# Altium PCB EVB-NORA-B20.PcbDoc (part 3 of 6)
Units mm, origin at the board's own origin, x right, y up, seen from the top; angles counter-clockwise.
Board outline 100 x 70 mm, 6 copper layers (L1, L2, L3, L4, L5, L6), stack 1.547 mm thick; 491 components, 294 nets, 1446 pads, 1246 vias.
Unrouted connection lines stored in the file: 3.
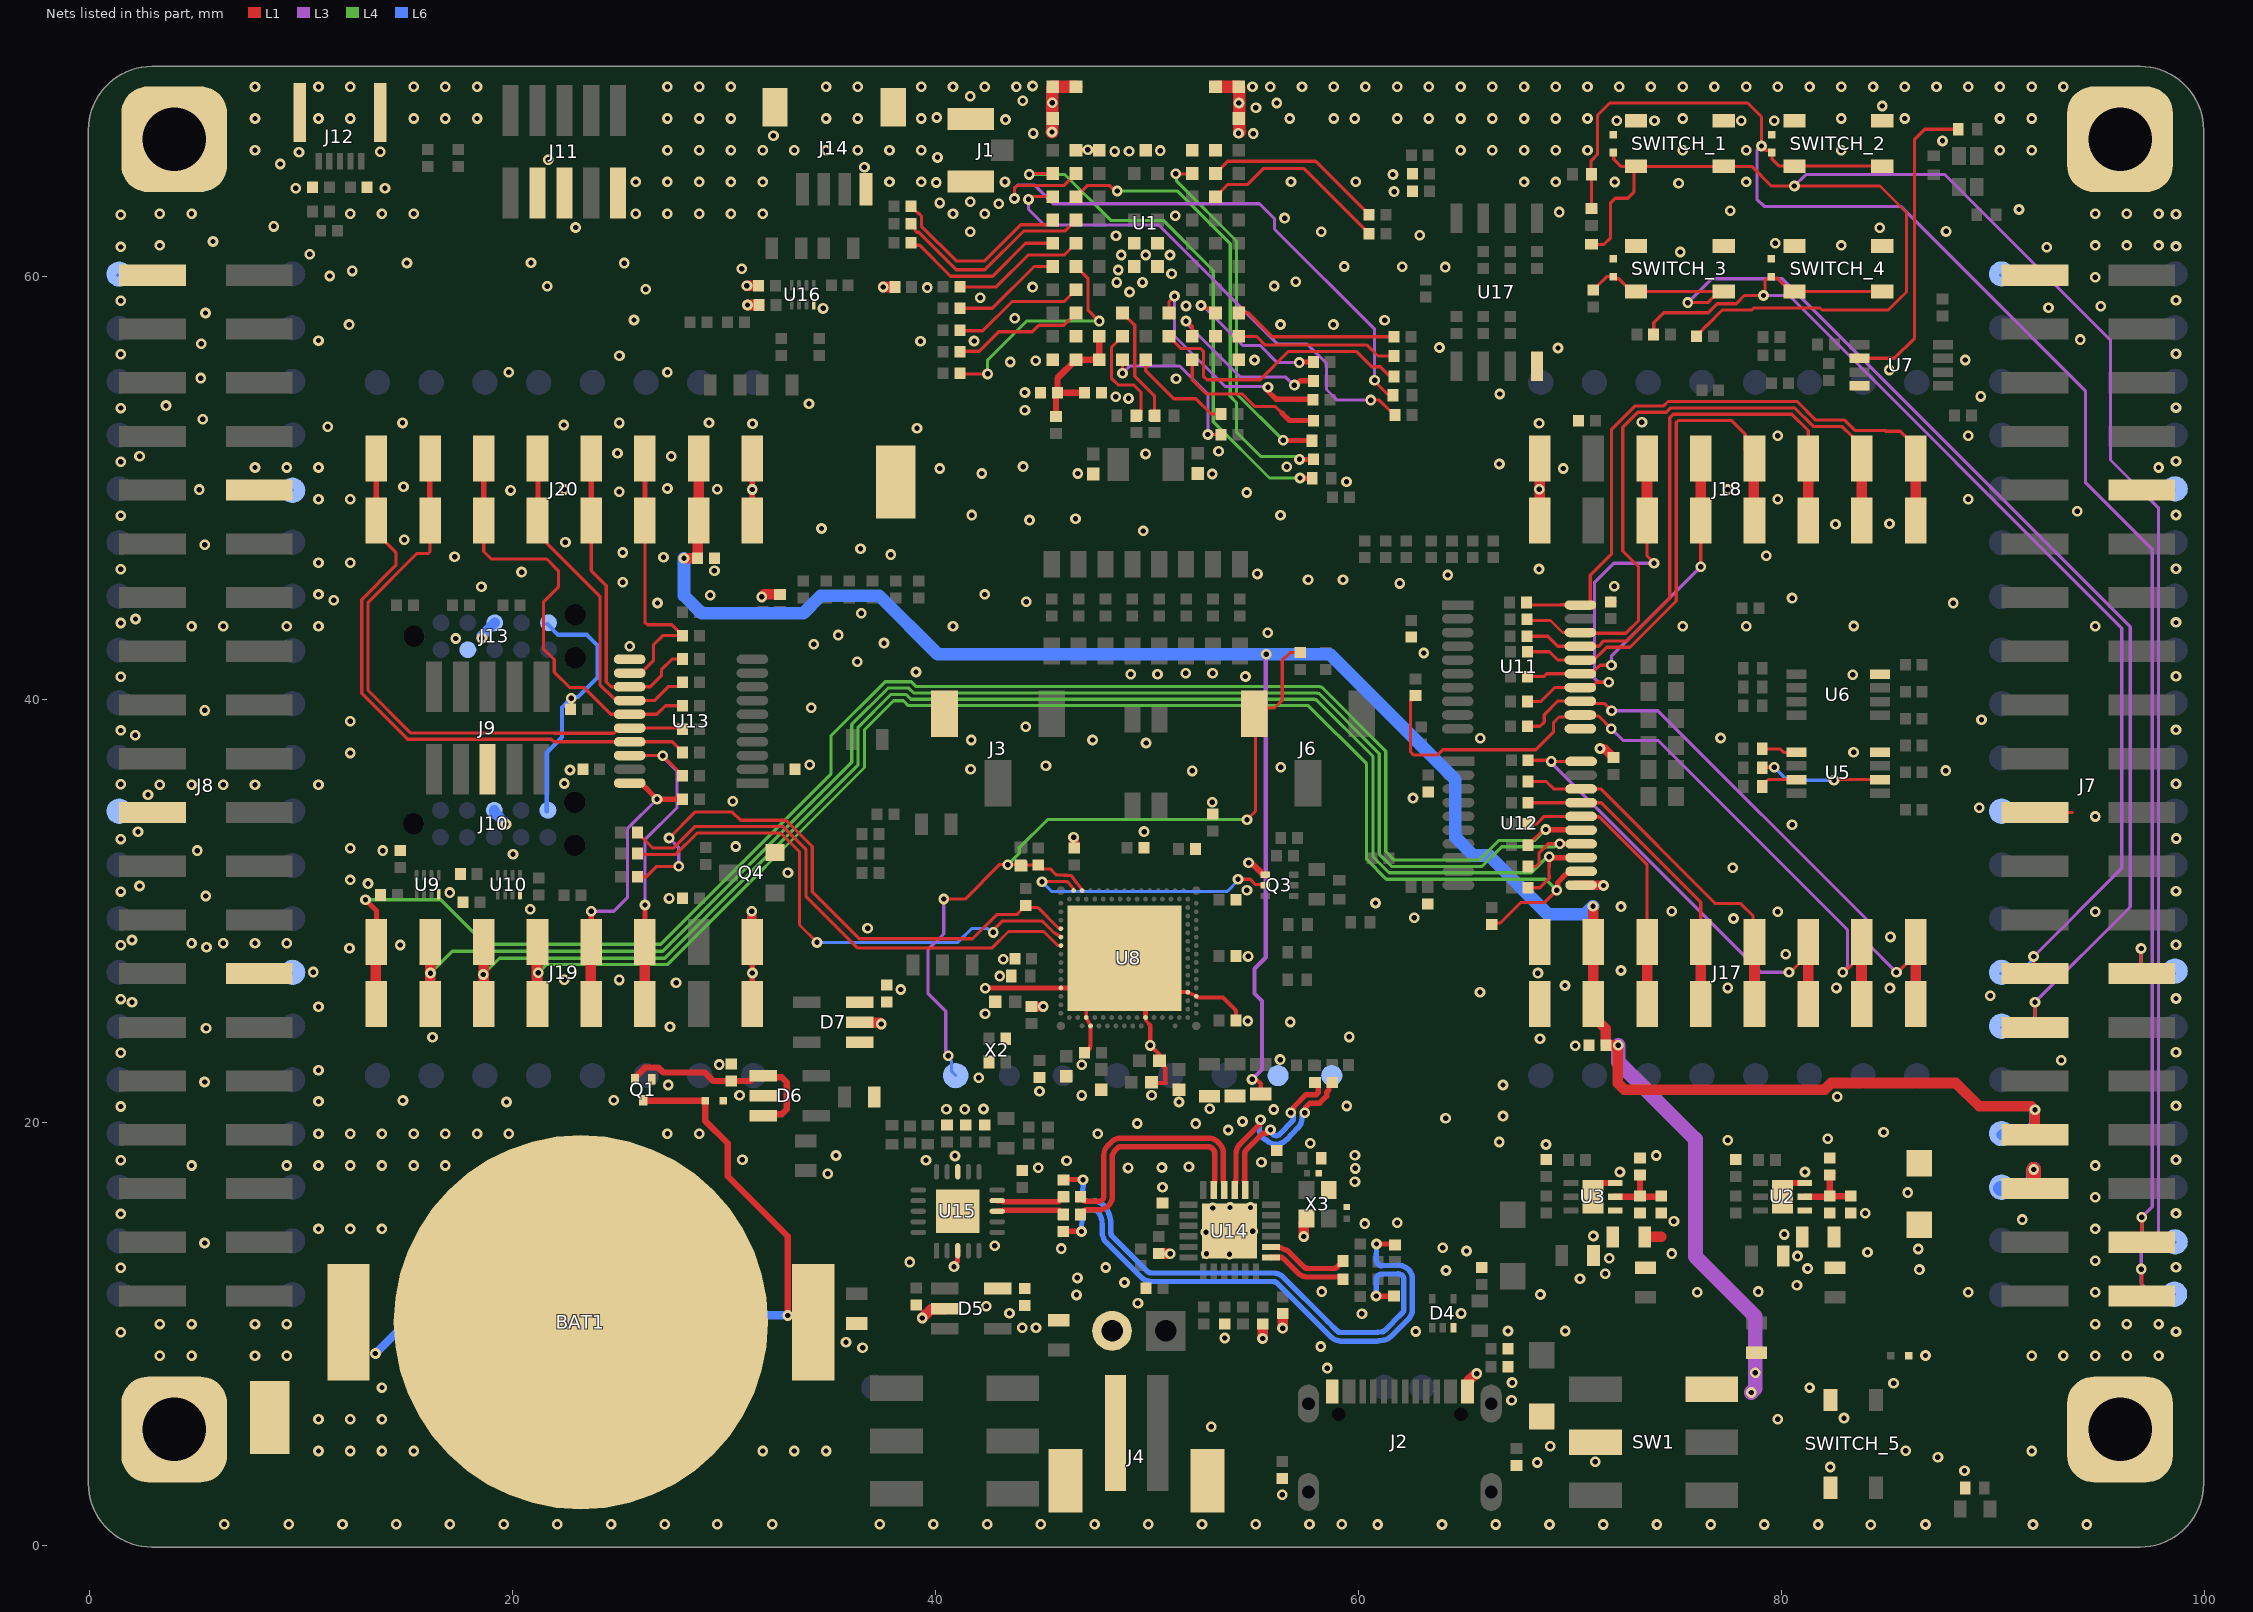
[diagram p7: the nets of this part, all layers, seen from the top]

## Via types
v1: diameter 0.508, hole 0.254, L1 to L6, 912 vias
v2: diameter 0.5, hole 0.25, L1 to L6, 329 vias
v3: diameter 0.3, hole 0.1, L1 to L6, tented top, 5 vias

## Nets (pads, with @x,y where several pads share a name; then routed paths per layer and width w, separated by ;. In a path a pad name is that pad's centre, name@x,y a point inside that pad or via, vN(x,y) a via of type N, cw(c..) or ccw(c..) an arc to the next point about the centre after c; other vN are vias at no path point) (continued)
+5V: C49.2 C50.1 J7.33 J17.7 J20.7 R38.2 R81.1 SW1.4 TP77.1 | length 131.9
  L1 w0.15: C50.1@28.724,46.695 C50.1@28.734,46.685
  L1 w0.2: v1(54.962,22.05) 55.17,22.05 55.372,21.848 R81.1@55.372,21.358
  L1 w0.5: v1(28.102,46.695) C50.1@28.724,46.695 ; C50.1@28.734,46.685 28.744,46.695 J20.7@28.744,47.442 ; J20.7@28.796,48.476 J20.7@28.796,51.406 ; v1@71.096,30.239 J17.7@71.096,28.546 J17.7@71.096,25.616 71.096,25.031 71.681,24.446 C49.2@71.681,23.667 ; C49.2@71.691,23.657 C49.2@71.681,23.667 ; v1@72.26,23.651 72.26,21.863 72.553,21.57 82.042,21.57 82.352,21.88 88.24,21.88 89.34,20.78 91.808,20.78 91.973,20.616 v1(91.975,20.616) J7.33@91.975,19.458 ; v1@72.276,23.667 C49.2@71.681,23.667
  L1 w0.7: J20.7@28.796,48.43 J20.7@28.802,48.424
  L3 w0.2: v1(54.962,22.05) 55.43,22.519 55.43,25.756 55.08,26.106 55.08,27.283 55.61,27.813 55.61,42.128 v1(55.632,42.15)
  L3 w0.7: v1(72.278,23.669) 72.278,22.87 75.92,19.228 75.92,13.674 78.753,10.841 78.753,7.438 v1(78.56,7.245)
  L6 w0.5: TP77.1@90.401,19.43 91.475,19.43 91.975,19.93 v1(91.975,20.616)
  L6 w0.6: v1(28.102,46.695) 28.102,44.924 28.936,44.09 33.744,44.09 34.578,44.924 37.327,44.924 40.101,42.15 58.64,42.15 64.574,36.216 64.574,33.496 65.436,32.634 66.169,32.634 68.943,29.86 70.71,29.86 v1(71.083,30.234)
  other v1: 78.753,8.183
+Vin: D1.A J7.35 TP79.1 | length 3.1
  L1 w0.7: v1(91.919,17.792) 91.919,17.006 J7.35@91.975,16.95
  L6 w0.7: TP79.1@90.346,16.891 91.509,16.891 91.919,17.301 v1(91.919,17.792)
A3: R1.2 U1.A3 | length 7.5
  L1 w0.15: U1.A3@52.136,56.081 52.136,55.124 52.803,54.457 54.503,54.457 55.096,53.863 55.945,53.863 56.065,53.863 56.384,53.544
  L1 w0.25: 56.384,53.544 56.73,53.198 R1.2@57.857,53.198
A5: R2.2 U1.A5 | length 4.9
  L1 w0.15: U1.A5@49.936,56.081 49.936,55.556 51.262,54.23 52.305,54.23 53.025,53.509 R2.2@53.495,53.509
A6: R3.2 U1.A6 | length 7.9
  L1 w0.15: v1(48.832,55.434) 48.836,55.438 U1.A6@48.836,56.081 ; v1(52.872,52.542) 53.466,52.542 R3.2@53.476,52.552
  L3 w0.15: v1(48.832,55.434) 49.179,55.781 51.536,55.781 52.872,54.445 v1(52.872,52.542)
B1: R4.2 U1.B1 | length 7.5
  L1 w0.15: U1.B1@54.336,57.181 55.168,57.181 55.581,56.768 60.401,56.768 60.916,56.253 R4.2@61.467,56.253
B3: R5.2 U1.B3 | length 8.3
  L1 w0.15: v1(51.838,57.904) 51.893,57.904 52.136,57.661 U1.B3@52.136,57.181
  L1 w0.25: v1(56.963,54.876) 57.029,54.876 57.229,55.076 57.851,55.076 R5.2@57.856,55.071
  L3 w0.15: v1(51.838,57.904) 51.838,57.826 54.412,55.253 56.557,55.253 56.934,54.876 v1(56.963,54.876)
B4: R6.2 U1.B4 | length 13
  L1 w0.15: U1.B4@51.036,57.181 51.615,56.602 51.739,56.602 51.743,56.606 52.529,56.606 52.661,56.474 52.661,55.298 52.828,55.131 55.348,55.131 56.684,56.468 59.891,56.468 60.613,55.746 61.028,55.746 61.475,55.299 R6.2@61.475,55.284
B6: R25.2 R26.2 U1.B6 | length 5.1
  L1 w0.15: U1.B6@48.836,57.181 48.311,56.656 48.311,55.208 48.638,54.881 49.374,54.881 49.705,54.551 49.705,53.59 49.543,53.429 R25.2@49.495,53.429
Button0: D18.1 J7.40 R49.2 R168.1 SWITCH_1.1 SWITCH_1.2 TP84.1 | length 102.3
  L1 w0.15: R49.2@71.008,61.53 71.602,61.53 71.9,61.828 71.9,63.48 72.133,63.713 72.723,63.713 73.023,64.013 SWITCH_1.2@73.023,65.219 ; D18.1@72.034,65.874 72.059,65.849 72.059,65.557 72.397,65.219 SWITCH_1.2@73.023,65.219 ; R168.1@75.983,57.181 76.168,57.366 76.168,57.396 76.298,57.526 76.298,57.549 76.43,57.681 76.453,57.681 77.197,58.425 78.585,58.425 78.682,58.522 81.815,58.522 81.912,58.425 85.045,58.425 85.502,58.882 85.9,59.28 85.9,63.035 84.648,64.288 v1(80.602,64.288) 79.512,64.288 78.581,65.219 SWITCH_1.1@77.259,65.219 SWITCH_1.2@73.109,65.219 SWITCH_1.2@73.023,65.219 ; J7.40@97.025,11.81 v1@97.025,12.968
  L3 w0.15: v1(80.602,64.288) 81.144,64.83 87.723,64.83 95.549,57.004 95.549,51.334 97.82,49.062 97.82,14.68 97,13.86 v1(97,13.081)
  L6 w0.15: v1(97,13.081) 97,12.395 97.5,11.895 TP84.1@98.575,11.895
Button1: D17.1 J7.38 R50.2 R167.1 SWITCH_2.1 SWITCH_2.2 TP82.1 | length 86.7
  L1 w0.15: R167.1@71.008,63.226 R50.2@71.008,64.84 ; R50.2@71.01,64.84 70.99,64.86 70.99,65.478 71.295,65.784 71.295,67.642 71.87,68.216 78.388,68.216 79.044,67.56 v1(79.044,66.182) 79.247,65.979 79.427,65.979 79.514,65.892 79.514,65.887 79.54,65.861 79.54,65.569 79.877,65.232 SWITCH_2.1@84.939,65.232 ; J7.38@97.025,14.35 v1@97.025,15.508
  L3 w0.15: v1@79.05,66.177 78.831,65.958 78.831,63.666 79.17,63.327 85.624,63.327 94.373,54.578 94.373,50.26 97.52,47.113 97.52,16.031 v1(97.025,15.536)
  L6 w0.15: v1(97.025,15.536) 97.025,14.85 97.525,14.35 TP82.1@98.599,14.35
Button2: D20.1 J7.29 R171.1 SWITCH_3.1 SWITCH_3.2 TP72.1 | length 60.5
  L1 w0.15: R171.1@71.095,59.379 71.11,59.379 71.295,59.564 71.295,59.579 71.722,60.006 D20.1@72.034,60.007 ; D20.1@72.034,60.007 72.034,60.005 72.134,59.905 72.305,59.905 72.491,59.719 72.909,59.301 SWITCH_3.2@73.109,59.301 SWITCH_3.1@77.08,59.301 ; v1(75.566,58.776) 76.505,58.776 76.754,59.025 76.783,59.025 77.059,59.301 SWITCH_3.1@77.259,59.301 ; J7.29@91.55,24.085 J7.29@91.975,24.51 ; J7.29@91.975,24.538 v1(91.975,25.696)
  L3 w0.15: v1(75.566,58.776) 76.691,59.901 80.032,59.901 96.48,43.453 96.48,30.201 v1(91.975,25.696)
  L6 w0.15: TP72.1@90.401,24.51 91.475,24.51 91.975,25.01 v1(91.975,25.696)
Button3: D21.1 J7.27 R172.1 R173.1 SWITCH_4.1 SWITCH_4.2 TP71.1 | length 58.2
  L1 w0.15: R172.1@73.95,57.269 73.95,57.83 74.417,58.297 76.535,58.297 76.963,58.725 77.851,58.725 78.24,59.114 v1(79.139,59.114) 79.208,59.183 79.208,59.814 79.296,59.902 79.4,59.902 79.5,60.002 D21.1@79.5,60.007 ; D21.1@79.566,60.032 79.566,59.965 79.6,59.931 79.798,59.931 80.152,59.577 80.152,59.55 80.402,59.3 SWITCH_4.2@80.602,59.3 SWITCH_4.1@84.752,59.3 ; J7.27@90.475,26.625 90.9,27.05 J7.27@91.975,27.05 ; J7.27@91.911,27.089 v1(91.911,27.86)
  L3 w0.15: v1(79.139,59.114) 80.351,59.114 96.08,43.385 96.08,32.029 v1(91.911,27.86)
  L6 w0.15: TP71.1@90.347,27.051 91.421,27.051 91.679,27.309 91.679,27.531 91.911,27.763 v1(91.911,27.86)
C1: R7.2 U1.C1 | length 7.6
  L1 w0.15: U1.C1@54.336,58.281 54.802,58.281 55.921,57.163 R7.2@61.467,57.163
C2: R8.2 U1.C2 | length 7.3
  L1 w0.15: v1(52.549,58.64) 52.646,58.64 52.781,58.506 53.011,58.506 U1.C2@53.236,58.281
  L1 w0.25: v1(57.186,55.941) 57.217,55.972 R8.2@57.885,55.972
  L3 w0.15: v1(52.549,58.64) 52.634,58.64 54.526,56.748 55.35,56.748 56.157,55.941 v1(57.186,55.941)
C4: R9.2 U1.C4 | length 10.7
  L1 w0.15: U1.C4@51.036,58.281 51.036,58.825 v1(51.295,59.084)
  L1 w0.25: v1(55.715,54.774) 55.715,54.588 56.09,54.213 R9.2@57.879,54.213
  L3 w0.15: v1(51.295,59.084) 51.295,57.2 53.685,54.81 55.679,54.81 v1(55.715,54.774)
C6: R20.2 R21.2 U1.C6 | length 5.5
  L1 w0.15: U1.C6@48.836,58.281 49.411,57.706 49.411,55.302 50.342,54.37 R20.2@50.342,53.433 ; R20.2@50.342,53.433 R21.2@50.371,53.433
C8: R10.2 U1.C8 | length 6.2
  L1 w0.15: R10.2@41.233,56.476 42.063,56.476 42.984,57.397 44.574,57.397 44.883,57.706 46.061,57.706 U1.C8@46.636,58.281
CTS: R64.1 U5.5 | length 1.7
  L1 w0.15: R64.1@79.081,37.678 79.091,37.668 79.946,37.668 80.115,37.499 80.675,37.499 U5.5@80.701,37.524
D8: R11.2 U1.D8 | length 6.4
  L1 w0.15: R11.2@41.083,57.446 42.233,57.446 43.615,58.828 46.083,58.828 U1.D8@46.636,59.381
DBGR_BUTTON: J6.1 R84.1 R85.1 R169.1 TP36.1 U8.AL27 | length 39
  L1 w0.15: v1(40.38,30.576) 41.394,30.576 43.033,32.215 43.896,32.215 43.923,32.188 R84.1@44.023,32.188 R85.1@44.856,32.188 45.041,32.003 45.417,32.003 45.67,31.751 ccw(c45.776,31.857) 45.776,31.707 46.048,31.707 cw(c46.048,31.557) 46.066,31.706 ccw(c46.123,32.152) 46.123,31.702 46.209,31.702 cw(c46.208,31.552) 46.236,31.699 ccw(c46.28,31.92) 46.28,31.695 46.335,31.695 cw(c46.334,31.545) 46.456,31.632 ccw(c52.078,35.639) 46.818,31.168 cw(c46.704,31.071) 46.837,31.139 46.869,31.077 ccw(c47.003,31.146) 46.891,31.046 46.896,31.039 cw(c46.784,30.94) U8.AL27@46.928,30.982 ; v1@54.716,34.325 55.125,34.734 55.125,39.286 J6.1@55.067,39.344 55.333,39.61 56.021,39.61 56.392,39.981 56.392,41.865 56.757,42.23 R169.1@57.24,42.23 ; U8.AL27@46.928,30.982 U8.AL27@46.923,30.976 U8.AL27@46.928,30.981
  L3 w0.15: v1(40.38,30.576) 40.38,28.924 39.635,28.179 39.635,26.115 40.477,25.273 40.477,23.377 40.595,23.259 v1(40.595,23.162)
  L4 w0.15: v2(43.405,32.195) 43.957,32.746 43.957,33.001 45.296,34.34 v1@54.715,34.34
  L6 w0.15: v1(40.595,23.162) 40.595,23.066 40.748,22.913 40.748,22.432 TP36.1@40.941,22.239
  other v1: 54.724,34.331
DBGR_LED: Q3.2 U8.AL29 | length 12.9
  L1 w0.15: v1(45.031,31.4) 45.898,31.4 ccw(c45.897,31.55) 45.903,31.401 cw(c45.923,30.976) 45.944,31.4 ccw(c45.949,31.55) 45.947,31.4 46.178,31.4 cw(c46.178,31.25) 46.298,31.34 ccw(c52.078,35.639) 46.49,31.093 cw(c46.373,30.999) 46.523,30.999 U8.AL29@46.523,30.976 ; v1(54.296,31.512) 54.873,31.512 55.125,31.26 55.537,31.26 Q3.2@55.575,31.222
  L6 w0.15: v1(45.031,31.4) 45.502,30.93 53.774,30.93 54.296,31.452 v1(54.296,31.512)
DBGR_RESETn: R86.1 R89.1 U8.AC31 | length 27.6
  L1 w0.15: R89.1@25.9,31.632 26.327,31.632 26.817,32.123 v1(27.851,32.123) ; v1(27.397,33.465) 28.619,34.687 30.393,34.687 30.781,34.299 32.928,34.299 34.165,33.062 34.165,30.915 36.384,28.696 41.743,28.696 42.89,29.843 43.838,29.843 44.062,30.067 44.062,30.075 44.254,30.267 R86.1@44.262,30.267 ; R86.1@44.198,30.331 R86.1@44.262,30.267 ; U8.AC31@45.923,29.176 45.904,29.195 45.867,29.195 cw(c45.868,29.345) 45.763,29.238 44.868,30.133 ccw(c44.763,30.026) 44.763,30.176 44.353,30.176 R86.1@44.262,30.267
  L3 w0.15: v1(27.397,33.465) 27.851,33.011 v1(27.851,32.123)
DBGR_SWDCLK: R91.2 U8.W31 | length 25
  L1 w0.15: R91.2@25.9,33.725 26.639,32.986 27.596,32.986 28.609,33.999 32.803,33.999 33.865,32.937 33.865,30.713 36.323,28.256 42.658,28.256 43.443,29.041 44.335,29.041 44.341,29.047 44.738,29.047 44.744,29.041 45.099,29.041 45.102,29.037 45.105,29.041 45.759,28.387 45.912,28.387 U8.W31@45.923,28.376
DBGR_SWDIO: R90.2 U8.AA31 | length 25.5
  L1 w0.15: R90.2@25.9,32.686 27.72,32.686 28.733,33.699 32.679,33.699 33.565,32.813 33.565,29.351 v1(34.389,28.527) ; v1(42.723,28.999) 42.723,29.094 43.172,29.543 44.972,29.543 cw(c44.972,29.393) 45.078,29.499 45.549,29.028 ccw(c45.868,29.345) 45.672,28.94 cw(c45.607,28.805) 45.704,28.919 ccw(c45.923,29.176) 45.8,28.862 45.805,28.86 ccw(c45.861,28.999) 45.812,28.857 45.84,28.848 cw(c45.79,28.706) U8.AA31@45.923,28.776
  L6 w0.15: v1(34.389,28.527) 41.047,28.527 41.698,29.178 42.456,29.178 42.635,28.999 v1(42.723,28.999)
DSR: R59.1 U5.7 | length 1.8
  L1 w0.15: R59.1@79.081,35.9 79.081,35.95 79.355,36.224 U5.7@80.701,36.224
DTR: R61.1 U5.2 | length 5.9
  L1 w0.15: R61.1@79.111,36.819 79.125,36.805 v1(79.654,36.805) ; v1(82.474,36.195) 82.503,36.224 U5.2@84.651,36.224
  L1 w0.25: R61.1@79.081,36.789 79.111,36.819 R61.1@79.124,36.831
  L6 w0.15: v1(79.654,36.805) 80.264,36.195 v1(82.474,36.195)
E8: R16.2 U1.E8 | length 10.9
  L1 w0.15: R16.2@41.273,55.406 v1(42.456,55.406) ; U1.E8@46.636,60.481 47.211,59.906 47.211,58.412 47.719,57.904 v1(47.736,57.904)
  L4 w0.15: v1(42.456,55.406) 42.456,56.064 43.639,57.247 44.296,57.904 v1(47.736,57.904)
E9: R17.2 U1.E9 | length 5.2
  L1 w0.15: R17.2@41.203,58.506 42.683,58.506 44.658,60.481 U1.E9@45.536,60.481
F1_USB_N: R163.2 U14.2 | length 7.7
  L1 w0.255: U14.2@54.598,17.234 ccw(c54.853,17.234) 54.623,17.124 U14.2@54.646,16.826 ; U14.2@54.598,17.235 cw(c54.853,17.234) 54.601,17.271 54.602,17.277 ccw(c53.949,17.373) 54.609,17.373 54.609,18.533 cw(c54.864,18.533) 54.683,18.713 54.802,18.831 55.48,19.509 55.664,19.509 v1(55.83,19.675) ; v1(56.788,20.474) 56.788,20.542 56.922,20.677 56.922,20.733 57.522,21.332 57.991,21.332 58.081,21.423 58.081,21.75 R163.2@57.934,21.898
  L6 w0.255: v1(55.83,19.675) 55.831,19.661 ccw(c56.085,19.676) v1@55.876,19.53 ; v1@55.876,19.53 55.896,19.501 ccw(c56.105,19.648) 56.289,19.471 56.847,20.05 ccw(c56.663,20.227) 56.918,20.227 ccw(c56.663,20.227) 56.857,20.393 v1(56.788,20.474)
F1_USB_P: R162.2 U14.3 | length 9.8
  L1 w0.255: U14.3@54.146,16.826 54.168,17.124 ccw(c53.938,17.234) 54.193,17.234 cw(c54.598,17.234) 54.193,17.236 cw(c54.853,17.234) 54.2,17.33 54.201,17.336 ccw(c53.949,17.373) 54.204,17.373 54.204,18.533 cw(c54.864,18.533) 54.397,18.999 54.514,19.117 cw(c54.802,18.832) 54.516,19.118 55.359,19.961 v1(55.359,20.146) ; v1@57.406,20.522 v1(57.454,20.474) 57.502,20.522 57.502,20.741 57.689,20.927 58.159,20.927 58.486,21.255 58.486,21.445 58.599,21.558 58.599,21.765 58.732,21.898 R162.2@58.747,21.898
  L6 w0.255: v1(55.359,20.146) 55.337,20.037 ccw(c55.587,19.986) 55.333,20.015 55.302,19.735 ccw(c55.83,19.675) 55.641,19.178 ccw(c56.105,19.648) 56.58,19.19 57.139,19.769 ccw(c56.663,20.227) 57.323,20.225 ccw(c56.918,20.227) 57.324,20.227 cw(c57.578,20.227) 57.385,20.393 v1(57.454,20.474)
F2_USB_N: R161.2 U14.4 | length 11.5
  L1 w0.255: R161.2@46.844,16.496 46.976,16.349 46.997,16.334 ccw(c47.149,16.538) 47.149,16.283 cw(c47.149,15.878) 47.151,16.283 47.697,16.283 ; 47.698,16.283 cw(c47.701,16.081) 47.699,16.283 ccw(c47.697,16.538) 47.952,16.538 47.952,18.459 cw(c48.612,18.459) 48.145,18.926 48.151,18.93 ccw(c47.999,19.135) 48.184,18.959 48.285,19.065 cw(c48.763,18.61) 48.76,19.27 52.89,19.27 cw(c52.89,18.61) 53.357,19.077 53.405,19.029 cw(c52.938,18.562) 53.598,18.562 53.598,17.235 cw(c53.193,17.234) 53.598,17.234 ccw(c53.853,17.234) 53.623,17.124 U14.4@53.646,16.826
F2_USB_P: R160.2 U14.5 | length 10.8
  L1 w0.255: R160.2@46.844,15.665 46.976,15.812 46.997,15.827 cw(c47.149,15.623) 47.149,15.878 47.697,15.878 ccw(c47.697,16.283) 47.701,15.878 ccw(c47.695,16.538) 47.704,15.878 ccw(c47.697,16.538) 48.357,16.538 48.357,18.459 48.433,18.616 cw(c48.662,18.504) 48.477,18.68 48.578,18.786 cw(c48.763,18.61) 48.761,18.865 52.89,18.865 cw(c52.89,18.61) 53.071,18.79 53.118,18.743 cw(c52.938,18.562) 53.193,18.562 53.193,17.234 cw(c52.938,17.234) 53.168,17.124 U14.5@53.146,16.826
F8: R23.2 U1.F8 | length 6.4
  L1 w0.15: R23.2@41.127,59.52 42.867,59.52 44.375,61.028 46.083,61.028 U1.F8@46.636,61.581
F9: R24.2 U1.F9 | length 8
  L1 w0.15: R24.2@38.853,61.566 38.93,61.489 39.24,61.489 40.703,60.026 42.693,60.026 44.248,61.581 U1.F9@45.536,61.581
FTDI_n: R161.1 R221.1 U15.9 | length 3
  L1 w0.255: U15.9@42.911,16.316 43.148,16.316 43.195,16.268 R161.1@45.822,16.268 ; R161.1@46.035,16.501 46.03,16.496 R161.1@46.044,16.496
FTDI_p: R160.1 R218.2 U15.8 | length 3.5
  L1 w0.255: R218.2@46.03,15.67 46.044,15.67 46.044,15.68 45.88,15.843 45.88,15.863 43.195,15.863 U15.8@43.148,15.816 ; U15.8@43.148,15.816 U15.8@42.911,15.816 U15.8@43.148,15.816
FTDI_USB_n: R213.1 R221.2 | length 25.2
  L1 w0.255: R221.2@46.085,17.317 v1@46.961,17.317 ; v1@60.833,11.801 R213.1@61.71,11.801
  L6 w0.255: v1(46.97,17.308) 46.947,16.54 ccw(c47.202,16.533) 47.195,16.278 ccw(c47.202,16.533) 47.209,16.278 47.466,16.285 cw(c47.485,15.626) 48.024,16.008 cw(c46.869,15.191) 48.283,15.189 48.283,14.808 ccw(c48.538,14.808) 48.358,14.627 48.476,14.509 50.014,12.971 ccw(c50.194,13.152) 50.194,12.897 50.362,12.897 55.799,12.897 55.967,12.897 cw(c55.967,12.237) 56.434,12.704 58.546,10.591 58.861,10.277 cw(c58.575,9.99) 58.862,10.276 58.98,10.158 ccw(c59.16,10.338) 59.16,10.083 60.87,10.083 ccw(c60.871,10.338) 60.909,10.086 61.106,10.116 ccw(c61.068,10.368) 61.248,10.187 61.343,10.282 61.942,10.881 62.06,11 ccw(c61.88,11.18) 62.135,11.179 62.135,12.6 ccw(c61.88,12.598) 61.874,12.853 61.108,12.834 cw(c61.092,13.494) 61.09,12.834 ; v1(60.824,11.81) 60.83,12.58 cw(c61.085,12.579) 61.087,12.834 ccw(c61.092,13.494) 61.089,12.834
FTDI_USB_p: R216.1 R218.1 | length 26.5
  L1 w0.255: R218.1@46.011,14.867 v1@46.888,14.867 ; v1@60.836,14.266 v1(60.843,14.266) R216.1@61.713,14.266
  L6 w0.255: v1(46.897,14.858) 46.92,15.626 cw(c47.175,15.618) 47.182,15.873 ; 47.183,15.873 ccw(c47.202,16.533) 47.184,15.873 ; 47.185,15.873 ccw(c47.202,16.533) 47.221,15.873 47.478,15.881 cw(c47.485,15.626) 47.693,15.773 cw(c46.869,15.191) 47.878,15.189 47.878,14.808 ccw(c48.538,14.808) 48.072,14.341 48.19,14.223 ; 48.19,14.222 49.728,12.684 ccw(c50.194,13.152) 50.194,12.492 50.36,12.492 ccw(c50.362,12.897) 50.362,12.492 55.799,12.492 ccw(c55.799,12.897) 55.801,12.492 55.967,12.492 cw(c55.967,12.237) 56.147,12.417 58.575,9.99 ccw(c58.861,10.277) 58.576,9.989 58.693,9.872 ccw(c59.16,10.338) 59.16,9.678 60.871,9.678 ; v1(60.843,14.266) 60.837,13.495 ccw(c61.092,13.494) 61.09,13.239 ccw(c61.092,13.494) 61.098,13.239 61.864,13.258 cw(c61.88,12.598) 62.54,12.606 cw(c62.135,12.6) 62.54,12.6 62.54,11.178 cw(c61.88,11.18) 62.347,10.713 62.228,10.595 61.534,9.9 cw(c61.068,10.368) 61.168,9.716 60.97,9.686 cw(c60.871,10.338) 60.873,9.678
G8: R28.1 U1.G8 | length 9.7
  L1 w0.15: R28.1@38.843,62.501 39.028,62.316 39.028,62.19 39.116,62.102 39.196,62.102 40.972,60.326 42.323,60.326 44.153,62.156 46.111,62.156 U1.G8@46.636,62.681
G9: R27.1 U1.G9 | length 8.9
  L1 w0.15: R27.1@38.843,63.339 38.843,63.324 39.166,63.001 39.196,63.001 39.328,62.869 39.328,62.394 40.971,60.751 42.324,60.751 44.029,62.456 45.223,62.456 45.311,62.456 U1.G9@45.536,62.681
GND: BAT1.2 C1.2 C2.2 C3.1 C4.2 C5.2 C6.2 C7.2 C8.1 C9.2 C10.2 C11.2 C12.1 C13.2 C14.2 C15.1 C18.2 C19.2 C21.2 C22.2 C23.2 C24.2 C25.2 C26.2 C27.2 C28.2 C29.2 C30.2 C31.2 C32.2 C33.2 C34.2 C35.2 C36.2 C37.2 C38.1 C39.2 C40.1 C41.2 C42.2 C43.2 C44.2 C45.2 C46.2 C47.2 C48.2 C49.1 C50.2 C51.2 C52.2 C53.2 C54.2 C55.2 C56.2 C57.2 C58.2 C59.2 C60.2 C61.2 C62.1 C63.2 C64.2 C65.2 C66.1 C67.1 D4.3 D5.2 D6.2 D7.2 D8.2 D15.2 D17.2 D18.2 D20.2 D21.2 J1.2 J2.A1B12 J2.B1A12 J3.1 J4.1 J4.MH1 J5.2 J7.1 J7.10 J7.21 J7.28 J8.1 J8.10 J8.21 J8.28 J9.5 J10.3 J11.3 J11.5 J11.9 J12.MP J13.3 J13.9 J14.1 J14.M1 J14.M2 J15.1 J16.1 J17.8 J18.8 J19.8 J20.8 pad.5 Q1.1 Q3.1 Q4.2 R33.1 R34.1 R39.1 R40.1 R42.2 R45.1 R53.1 R54.1 R77.1 R80.1 R150.1 R151.2 R152.1 R157.1 R201.1 R203.2 R204.2 SWITCH_1.3 SWITCH_1.4 SWITCH_2.3 SWITCH_2.4 SWITCH_3.3 SWITCH_3.4 SWITCH_4.3 SWITCH_4.4 SWITCH_5.3 SWITCH_5.4 TP38.1 TP44.1 TP48.1 TP56.1 TP68.1 TP74.1 TP88.1 TP96.1 TP108.1 TP114.1 U1.A1 U1.A9 U1.B2 U1.B8 U1.E4 U1.E5 U1.F4 U1.F5 U1.K2 U1.K3 U1.K5 U1.K7 U1.K8 U1.L1 U1.L9 U1.M1 U1.M2 U1.M8 U1.M9 U2.3 U2.7 U3.3 U3.7 U5.4 U6.4 U7.4 U8.104 U8.A25 U8.B12 U8.B26 U8.G1 U8.H2 U8.J31 U9.4 U10.4 U11.11 U12.11 U13.11 U14.25 U15.3 U15.13 U15.21 U16.4 U17.4 X2.2 X2.4 X3.2 X3.4 | length 57.5
  L1 w0.15: J9.5@18.821,36.709 J9.5@18.821,36.977 ; U8.B26@47.123,24.976 U8.104@47.123,26.376 ; U8.B12@49.923,24.976 U8.B12@49.93,24.969 ; U8.B12@49.93,24.889 U8.B12@49.93,24.969 ; 50.085,24.67 50.06,24.695 50.06,24.716 49.937,24.839 49.937,24.962 U8.B12@49.93,24.969 ; J7.21@92.571,34.671 93.756,34.671 ; J7.28@96.994,27.081 v1(96.994,28.239)
  L1 w0.165: U8.B26@47.123,24.976 U8.A25@47.323,24.576
  L1 w0.187: U8.B12@49.923,24.976 U8.B12@49.93,24.969 ; U8.104@51.223,26.176 U8.H2@51.923,26.176 U8.G1@52.323,25.976 ; 53.588,25.918 54.194,25.312 C22.2@54.194,24.833
  L1 w0.188: U8.G1@52.323,25.976 52.326,25.973 52.327,25.972 ccw(c52.458,26.106) 52.445,25.919 cw(c52.422,25.576) 52.451,25.919 ccw(c52.465,26.105) 52.464,25.918 52.8,25.918 cw(c52.799,25.73) 52.807,25.918 ccw(c52.831,26.415) 52.855,25.918 cw(c52.863,25.73) 52.862,25.918 53.588,25.918